# Altium PCB STM32H743VIT6_Test_B'd.PcbDoc (part 2 of 2) (continued)
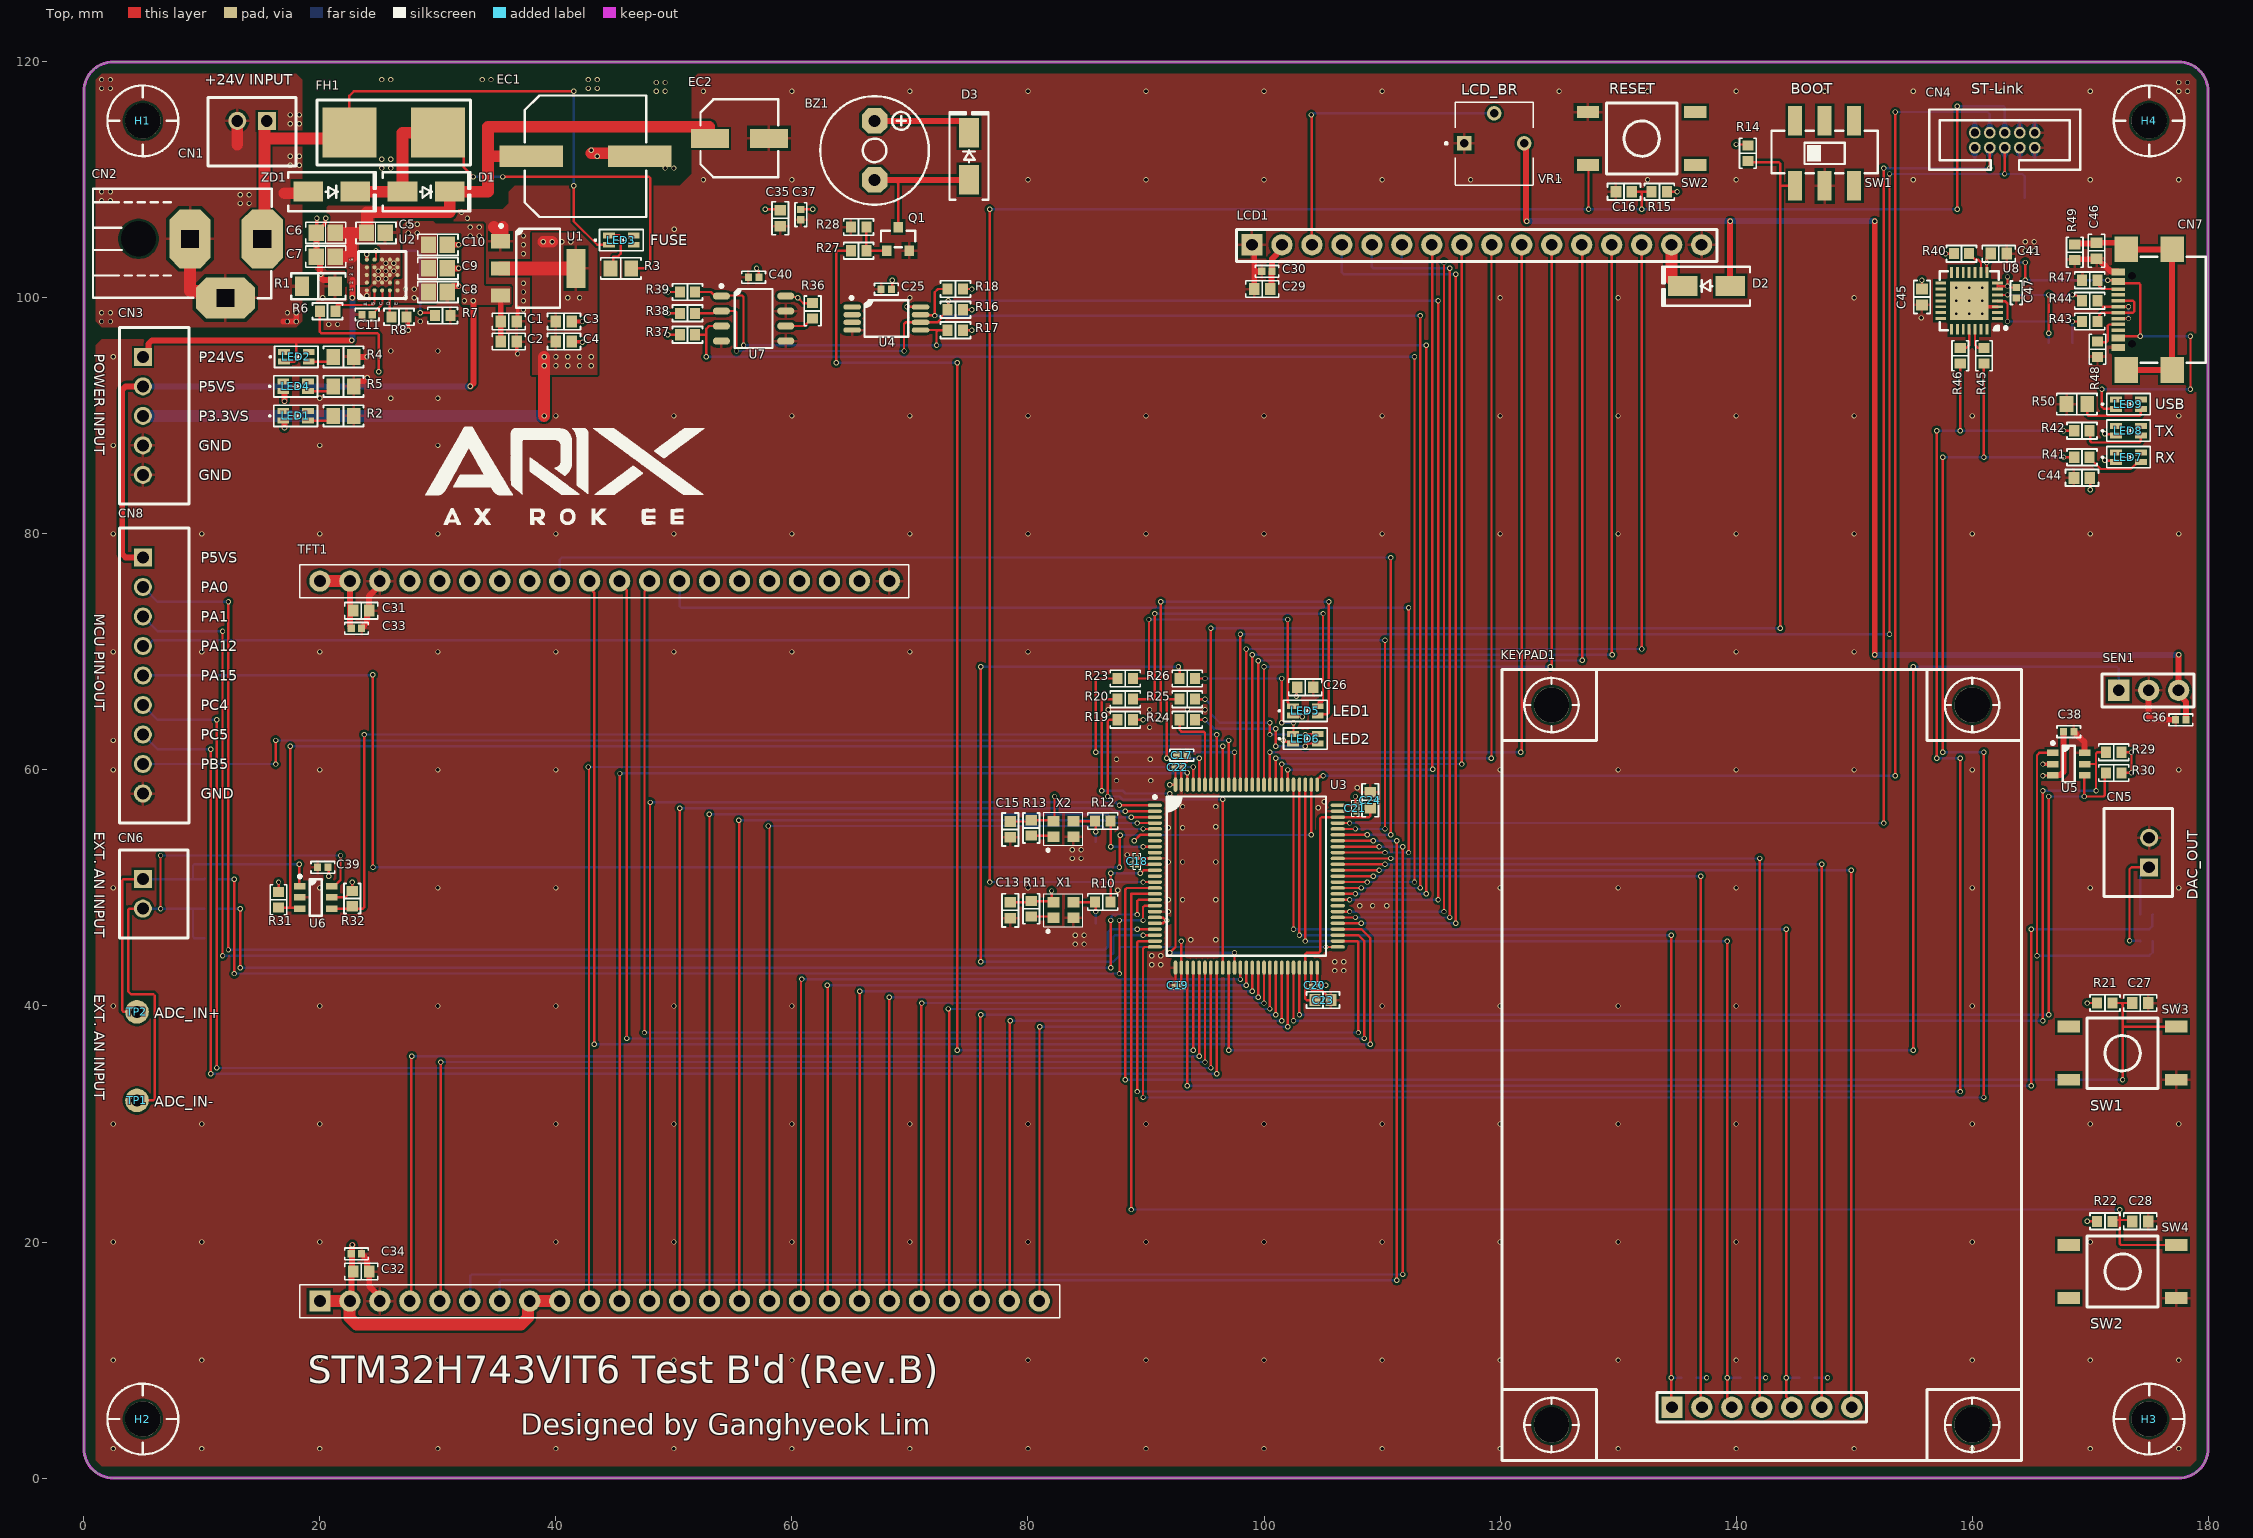
[diagram p0: Top view]
## Nets (pads, with @x,y where several pads share a name; then routed paths per layer and width w, separated by ;. In a path a pad name is that pad's centre, name@x,y a point inside that pad or via, vN(x,y) a via of type N, cw(c..) or ccw(c..) an arc to the next point about the centre after c; other vN are vias at no path point) (continued)
  Bottom w0.2: v1(103.5,45.5) v1(139.25,45.5) ; v1(139.25,8.5) R33.2@140.35,8.5
MCU_KEYPAD_COL2: KEYPAD1.1 R34.2 U3.79 | length 85.1
  Top w0.2: v1(103,46) U3.79@103,58.75 ; v1(134.5,46) v1(134.5,8.5) 134.5,6.06 KEYPAD1.1@134.56,6
  Bottom w0.2: v1(103,46) v1(134.5,46) ; v1(134.5,8.5) R34.2@135.35,8.5
MCU_KEYPAD_COL3: KEYPAD1.5 R35.2 U3.80 | length 95.8
  Top w0.2: v1(102.5,46.5) U3.80@102.5,58.75 ; v1(144.25,46.5) v1(144.25,8.5) 144.25,6.903 144.72,6.433 KEYPAD1.5@144.72,6
  Bottom w0.2: v1(102.5,46.5) v1(144.25,46.5) ; v1(144.25,8.5) R35.2@145.35,8.5
MCU_KEYPAD_ROW1: KEYPAD1.2 U3.63 | length 75.8
  Top w0.2: U3.63@106.25,51 v1(109.25,51) ; v1(137,51) 137,6.1 KEYPAD1.2@137.1,6
  Bottom w0.2: v1(109.25,51) v1(137,51)
MCU_KEYPAD_ROW2: KEYPAD1.7 U3.64 | length 89
  Top w0.2: U3.64@106.25,51.5 v1(109.75,51.5) ; v1(149.75,51.5) 149.75,6.05 KEYPAD1.7@149.8,6
  Bottom w0.2: v1(109.75,51.5) v1(149.75,51.5)
MCU_KEYPAD_ROW3: KEYPAD1.6 U3.65 | length 87
  Top w0.2: U3.65@106.25,52 v1(110.25,52) ; v1(147.25,52) 147.255,51.995 147.255,6.005 KEYPAD1.6@147.26,6
  Bottom w0.2: v1(110.25,52) v1(147.25,52)
MCU_KEYPAD_ROW4: KEYPAD1.4 U3.66 | length 82.3
  Top w0.2: U3.66@106.25,52.5 v1(110.75,52.5) ; v1(142,52.5) 142,6.18 KEYPAD1.4@142.18,6
  Bottom w0.2: v1(110.75,52.5) v1(142,52.5)
MCU_LED1_BLUE: R19.2 U3.34 | length 31.4
  Top w0.2: v1(86.75,57.75) 86.75,64.133 86.867,64.25 R19.2@87.6,64.25 ; U3.34@96.5,43.25 v1(96.5,57.5)
  Bottom w0.2: v1(86.75,57.75) 87.75,57.75 88,57.5 v1(96.5,57.5)
MCU_LED1_GREEN: R20.2 U3.36 | length 35.6
  Top w0.2: v1(86.25,58.25) 86.25,66 R20.2@87.6,66 ; v1(92,44.5) 92.5,45 92.5,57.5 v1(92,58) ; U3.36@97.5,43.25 v1(97.5,44.5)
  Bottom w0.2: v1(86.25,58.25) 88,58.25 88.25,58 v1(92,58) ; v1(92,44.5) v1(97.5,44.5)
MCU_LED1_RED: R23.2 U3.90 | length 22.5
  Top w0.2: v1(85.75,61.5) 85.75,67.633 85.867,67.75 R23.2@87.6,67.75 ; U3.90@97.5,58.75 v1(97.5,61.5)
  Bottom w0.2: v1(85.75,61.5) v1(97.5,61.5)
MCU_LED2_BLUE: R24.2 U3.95 | length 7.5
  Top w0.2: R24.2@92.85,64.25 92.85,63.4 93,63.25 94.883,63.25 95,63.133 U3.95@95,58.75
MCU_LED2_GREEN: R25.2 U3.96 | length 11
  Top w0.2: v1(91.75,61) 91.75,65.883 91.867,66 R25.2@92.85,66 ; U3.96@94.5,58.75 v1(94.5,61)
  Bottom w0.2: v1(91.75,61) v1(94.5,61)
MCU_LED2_RED: R26.2 U3.51 | length 73.9
  Top w0.2: v1(76,43.75) v1(76,68.75) ; v1(92.75,68.75) 92.75,68.682 92.85,68.582 R26.2@92.85,67.75 ; v1(105.25,45) U3.51@106.25,45
  Bottom w0.2: v1(76,43.75) 87.25,43.75 87.75,44.25 87.75,44.883 87.867,45 v1(105.25,45) ; v1(76,68.75) v1(92.75,68.75)
MCU_NRST: C16.2 CN4.6 R15.1 SW2.3 U3.14 | length 174.9
  Top w0.2: v1(76.75,50.5) v1(76.75,107.5) ; v1(89.75,50.5) U3.14@90.75,50.5 ; SW2.3@127.45,111.25 127.5,111.2 v1(127.5,107.5) ; C16.2@131.175,109 132.012,109 ; v1(132,107.5) 132.012,107.513 132.012,109 ; R15.1@132.85,109 132.012,109 ; v1(158.75,107.5) v1(158.75,116.25)
  Bottom w0.2: v1(76.75,50.5) v1(89.75,50.5) ; v1(76.75,107.5) v1(127.5,107.5) v1(132,107.5) v1(158.75,107.5) ; v1(158.75,116.25) 162.653,116.25 162.77,116.133 CN4.6@162.77,114
MCU_SWD_SWCLK: CN4.4 U3.76 | length 115.5
  Top w0.2: U3.76@104.5,58.75 104.5,59.173 104.779,59.452 104.952,59.452 v1(105,59.5) ; v1(153.5,59.5) v1(153.5,115.75)
  Bottom w0.2: v1(105,59.5) v1(153.5,59.5) ; v1(153.5,115.75) 161.333,115.75 161.5,115.583 CN4.4@161.5,114
MCU_SWD_SWDIO: CN4.3 U3.72 | length 112.5
  Top w0.2: U3.72@106.25,55.5 v1(107.25,55.5) ; v1(152.5,55.5) v1(152.5,111) ; v1(161.5,111) CN4.3@161.5,112.73
  Bottom w0.2: v1(107.25,55.5) v1(152.5,55.5) ; v1(152.5,111) v1(161.5,111)
MCU_SWD_TRACE_SWO: CN4.5 SB1.1 U3.89 | length 122.3
  Top w0.2: U3.89@98,58.75 v1(98,71.5) ; v1(153,71.5) v1(153,110.5) ; v1(162.75,110.5) 162.76,110.51 162.76,112.72 CN4.5@162.77,112.73
  Bottom w0.2: v1(98,71.5) v1(153,71.5) ; v1(153,110.5) v1(162.75,110.5) 164.25,110.5 164.45,110.3 SB1.1@164.45,108.5
MCU_TACT_SW1: C27.2 R21.1 SW3.3 U3.15 | length 116
  Top w0.2: v1(88.25,33.75) 88.25,49.883 88.367,50 U3.15@90.75,50 ; R21.1@171.9,40.25 172.633,40.25 ; v1(172.75,33.75) 172.75,38.25 ; C27.2@173.575,40.25 172.633,40.25 ; SW3.3@177.3,38.25 172.75,38.25 ; 172.633,40.25 172.75,40.133 172.75,38.25
  Bottom w0.2: v1(88.25,33.75) v1(172.75,33.75)
MCU_TACT_SW2: C28.2 R22.1 SW4.3 U3.16 | length 122
  Top w0.2: v1(88.75,22.75) 88.75,49.5 U3.16@90.75,49.5 ; R22.1@171.9,21.75 172.017,21.867 172.5,21.867 ; v1(172.5,22.75) 172.5,21.867 ; C28.2@173.575,21.75 173.458,21.867 172.5,21.867 ; SW4.3@177.3,19.75 172.617,19.75 172.5,19.867 172.5,21.867
  Bottom w0.2: v1(88.75,22.75) v1(172.5,22.75)
MCU_TEMP-SEN_OS: R37.1 U3.62 U7.3 | length 115.8
  Top w0.2: R37.1@51.8,96.87 52.63,96.87 52.75,96.75 ; v1(52.75,95) 52.75,96.75 ; U7.3@54.025,97.615 52.982,97.615 52.75,97.383 52.75,96.75 ; U3.62@106.25,50.5 v1(108.75,50.5) ; v1(112.75,50.5) v1(112.75,95)
  Bottom w0.2: v1(52.75,95) v1(112.75,95) ; v1(108.75,50.5) v1(112.75,50.5)
MCU_TFT_LCD_DATA0: TFT1.10 U3.97 | length 98
  Top w0.2: v1(42.75,60.25) 42.798,60.202 42.798,15.062 TFT1.10@42.86,15 ; U3.97@94,58.75 v1(94,60.25)
  Bottom w0.2: v1(42.75,60.25) v1(94,60.25)
MCU_TFT_LCD_DATA1: TFT1.11 U3.98 | length 93.8
  Top w0.2: TFT1.11@45.4,15 45.414,15.014 45.414,59.686 v1(45.427,59.7) ; U3.98@93.5,58.75 v1(93.5,59.75)
  Bottom w0.2: v1(45.427,59.7) 45.452,59.725 93.475,59.725 v1(93.5,59.75)
MCU_TFT_LCD_DATA2: TFT1.12 U3.1 | length 85.1
  Top w0.2: TFT1.12@47.94,15 47.97,15.03 47.97,57.22 v1(48,57.25) ; v1(87.75,57) U3.1@90.75,57
  Bottom w0.2: v1(48,57.25) 87.432,57.25 87.682,57 v1(87.75,57)
MCU_TFT_LCD_DATA3: TFT1.13 U3.2 | length 82.1
  Top w0.2: TFT1.13@50.48,15 50.49,15.01 50.49,56.74 v1(50.5,56.75) ; v1(88.25,56.5) U3.2@90.75,56.5
  Bottom w0.2: v1(50.5,56.75) 87,56.75 87.25,56.5 v1(88.25,56.5)
MCU_TFT_LCD_DATA4: TFT1.14 U3.3 | length 79.1
  Top w0.2: v1(53,56.25) 53.01,56.24 53.01,15.01 TFT1.14@53.02,15 ; v1(88.75,56) U3.3@90.75,56
  Bottom w0.2: v1(53,56.25) 86.75,56.25 87,56 v1(88.75,56)
MCU_TFT_LCD_DATA5: TFT1.15 U3.4 | length 76.1
  Top w0.2: v1(55.5,55.75) 55.53,55.72 55.53,15.03 TFT1.15@55.56,15 ; v1(89.25,55.5) U3.4@90.75,55.5
  Bottom w0.2: v1(55.5,55.75) 86.5,55.75 86.75,55.5 v1(89.25,55.5)
MCU_TFT_LCD_DATA6: TFT1.16 U3.5 | length 73.1
  Top w0.2: v1(58,55.25) 58,55.182 58.1,55.082 TFT1.16@58.1,15 ; v1(89.75,55) U3.5@90.75,55
  Bottom w0.2: v1(58,55.25) 86.25,55.25 86.5,55 v1(89.75,55)
MCU_TFT_LCD_DATA7: TFT1.17 U3.37 | length 65.6
  Top w0.2: TFT1.17@60.64,15 60.769,15.129 60.769,42.234 v1(60.817,42.282) ; v1(98,42.25) U3.37@98,43.25
  Bottom w0.2: v1(60.817,42.282) 60.833,42.266 97.984,42.266 v1(98,42.25)
MCU_TFT_LCD_DATA8: TFT1.18 U3.38 | length 63.8
  Top w0.2: v1(63,41.75) 63.048,41.702 63.048,15.132 TFT1.18@63.18,15 ; v1(98.5,41.75) U3.38@98.5,43.25
  Bottom w0.2: v1(63,41.75) v1(98.5,41.75)
MCU_TFT_LCD_DATA9: TFT1.19 U3.39 | length 61.5
  Top w0.2: TFT1.19@65.72,15 65.735,15.015 65.735,41.235 v1(65.75,41.25) ; v1(99,41.25) U3.39@99,43.25
  Bottom w0.2: v1(65.75,41.25) v1(99,41.25)
MCU_TFT_LCD_DATA10: TFT1.20 U3.40 | length 59.5
  Top w0.2: v1(68.25,40.75) 68.255,40.745 68.255,15.005 TFT1.20@68.26,15 ; v1(99.5,40.75) U3.40@99.5,43.25
  Bottom w0.2: v1(68.25,40.75) v1(99.5,40.75)
MCU_TFT_LCD_DATA11: TFT1.21 U3.41 | length 57.3
  Top w0.2: TFT1.21@70.8,15 70.952,15.152 70.952,40.202 v1(71,40.25) ; v1(100,40.25) U3.41@100,43.25
  Bottom w0.2: v1(71,40.25) v1(100,40.25)
MCU_TFT_LCD_DATA12: TFT1.22 U3.42 | length 55.5
  Top w0.2: v1(73.25,39.75) 73.25,39.682 73.34,39.592 TFT1.22@73.34,15 ; v1(100.5,39.75) U3.42@100.5,43.25
  Bottom w0.2: v1(73.25,39.75) v1(100.5,39.75)
MCU_TFT_LCD_DATA13: TFT1.23 U3.43 | length 53.3
  Top w0.2: TFT1.23@75.88,15 75.952,15.072 75.952,39.202 v1(76,39.25) ; v1(101,39.25) U3.43@101,43.25
  Bottom w0.2: v1(76,39.25) v1(101,39.25)
MCU_TFT_LCD_DATA14: TFT1.24 U3.44 | length 51.3
  Top w0.2: TFT1.24@78.42,15 78.46,15.04 78.46,38.71 v1(78.5,38.75) ; v1(101.5,38.75) U3.44@101.5,43.25
  Bottom w0.2: v1(78.5,38.75) v1(101.5,38.75)
MCU_TFT_LCD_DATA15: TFT1.25 U3.45 | length 49.3
  Top w0.2: TFT1.25@80.96,15 80.98,15.02 80.98,38.23 v1(81,38.25) ; v1(102,38.25) U3.45@102,43.25
  Bottom w0.2: v1(81,38.25) v1(102,38.25)
MCU_TFT_LCD_nCS: TFT1.5 U3.31 | length 93
  Top w0.2: TFT1.5@30.16,15 30.25,15.09 v1(30.25,35.25) ; v1(95,35.25) U3.31@95,43.25
  Bottom w0.2: v1(30.25,35.25) v1(95,35.25)
MCU_TFT_LCD_nRST: TFT1.4 U3.30 | length 95
  Top w0.2: TFT1.4@27.62,15 27.75,15.13 27.75,35.708 v1(27.785,35.744) ; v1(94.5,35.75) U3.30@94.5,43.25
  Bottom w0.2: v1(27.785,35.744) 27.788,35.747 94.497,35.747 v1(94.5,35.75)
MCU_TFT_LCD_nWR: TFT1.7 U3.69 | length 119.9
  Top w0.2: U3.69@106.25,54 v1(109.25,54) ; v1(111.25,16.75) v1(111.25,54)
  Bottom w0.2: TFT1.7@35.24,15 35.25,15.01 35.25,16.633 35.367,16.75 v1(111.25,16.75) ; v1(109.25,54) v1(111.25,54)
MCU_TFT_LCD_RS: TFT1.6 U3.68 | length 123
  Top w0.2: U3.68@106.25,53.5 v1(109.75,53.5) ; v1(111.75,17.25) v1(111.75,53.5)
  Bottom w0.2: TFT1.6@32.7,15 32.75,15.05 32.75,17.133 32.867,17.25 v1(111.75,17.25) ; v1(109.75,53.5) v1(111.75,53.5)
MCU_TFT_LCD_TS_nCS: TFT1.34 U3.70 | length 100.3
  Top w0.2: U3.70@106.25,54.5 v1(108.75,54.5) ; v1(110.75,54.5) v1(110.75,78)
  Bottom w0.2: TFT1.34@40.32,76 40.32,77.82 40.5,78 v1(110.75,78) ; v1(108.75,54.5) v1(110.75,54.5)
MCU_TFT_LCD_TS_nINT: TFT1.38 U3.67 | length 90.7
  Top w0.2: U3.67@106.25,53 v1(110.25,53) ; v1(112.25,53) v1(112.25,73.75)
  Bottom w0.2: TFT1.38@50.48,76 50.48,73.867 50.597,73.75 v1(112.25,73.75) ; v1(110.25,53) v1(112.25,53)
MCU_TFT_LCD_TS_SPI2_MISO: TFT1.36 U3.53 | length 112.2
  Top w0.2: TFT1.36@45.4,76 45.4,75.85 46,75.25 v1(46,37.25) ; U3.53@106.25,46 108,46 108.5,45.5 v1(108.5,37.25)
  Bottom w0.2: v1(46,37.25) v1(108.5,37.25)
MCU_TFT_LCD_TS_SPI2_MOSI: TFT1.35 U3.54 | length 117.2
  Top w0.2: TFT1.35@42.86,76 43.166,75.694 43.166,75.084 43.25,75 v1(43.25,36.75) ; U3.54@106.25,46.5 108.25,46.5 109,45.75 v1(109,36.75)
  Bottom w0.2: v1(43.25,36.75) v1(109,36.75)
MCU_TFT_LCD_TS_SPI2_SCK: TFT1.37 U3.52 | length 108.4
  Top w0.2: v1(47.5,37.75) 47.5,75.127 47.94,75.567 TFT1.37@47.94,76 ; U3.52@106.25,45.5 107.883,45.5 108,45.383 v1(108,37.75)
  Bottom w0.2: v1(47.5,37.75) v1(108,37.75)
MCU_UART2_RX: R41.1 R45.2 U3.25 | length 161.8
  Top w0.2: v1(89.75,32.25) 89.75,44.883 89.867,45 U3.25@90.75,45 ; v1(157.5,61.5) v1(157.5,86.5) ; v1(161,32.25) v1(161,61.5) ; v1(161,86.5) R45.2@161,94.45 ; v1(167.75,86.5) R41.1@168.655,86.5
  Bottom w0.2: v1(89.75,32.25) v1(161,32.25) ; v1(157.5,61.5) v1(161,61.5) ; v1(157.5,86.5) v1(161,86.5) v1(167.75,86.5)
MCU_UART2_TX: R42.1 R46.2 U3.24 | length 159.3
  Top w0.2: v1(89.25,32.75) 89.25,45.383 89.367,45.5 U3.24@90.75,45.5 ; v1(157,61) v1(157,88.75) ; v1(159,32.75) v1(159,61) ; v1(159,88.75) R46.2@159,94.45 ; v1(167.75,88.75) R42.1@168.655,88.75
  Bottom w0.2: v1(89.25,32.75) v1(159,32.75) ; v1(157,61) v1(159,61) ; v1(157,88.75) v1(159,88.75) v1(167.75,88.75)
NetBZ1_2: BZ1.2 D3.1 Q1.3 | length 12.1
  Top w0.2: 68.7,110 69,109.7 Q1.3@69,106
  Top w0.5: BZ1.2@67,110 68.7,110 D3.1@75,110
NetC12_2: C12.2 R10.2 X1.3 | length 3.7
  Top w0.2: X1.3@83.85,48.778 85.662,48.778 R10.2@85.687,48.803 85.75,48.74 v1(85.75,48)
  Bottom w0.2: C12.2@85.75,47.025 v1(85.75,48)
NetC14_2: C14.2 R12.2 X2.3 | length 3.6
  Top w0.2: X2.3@83.85,55.65 85.662,55.65 R12.2@85.687,55.675 85.75,55.612 v1(85.75,54.75)
  Bottom w0.2: C14.2@85.737,53.929 85.75,53.942 v1(85.75,54.75)
NetC46_1: C46.1 CN7.S1 CN7.S2 CN7.S3 CN7.S4 R49.1 | length 22.7
  Top w0.5: R49.1@168.695,104.52 168.772,104.597 170.467,104.597 C46.1@170.545,104.675 172.485,104.675 CN7.S4@173.05,104.11 CN7.S3@176.95,104.11 CN7.S2@176.95,93.89 CN7.S1@173.05,93.89
NetCN7_A5: CN7.A5 R48.2 | length 3.2
  Top w0.2: R48.2@170.625,96.3 170.675,96.25 171.383,96.25 171.5,96.367 171.5,97.633 171.617,97.75 CN7.A5@172.4,97.75
NetCN7_A6: CN7.A6 CN7.B6 R43.1 | length 5.9
  Top w0.2: R43.1@170.625,98 170.75,98.125 170.75,98.5 171,98.75 CN7.A6@172.4,98.75 173.633,98.75 173.75,98.867 173.75,99.633 173.633,99.75 CN7.B6@172.4,99.75
NetCN7_A7: CN7.A7 CN7.B7 R44.1 | length 4.7
  Top w0.2: R44.1@170.625,99.75 170.625,99.7 171.075,99.25 CN7.A7@172.4,99.25 v1(173.25,99.25) ; CN7.B7@172.4,98.25 v1(173.25,98.25)
  Bottom w0.2: v1(173.25,98.25) v1(173.25,99.25)
NetCN7_B5: CN7.B5 R47.2 | length 2.3
  Top w0.2: R47.2@170.625,101.5 170.75,101.375 170.75,101 171,100.75 CN7.B5@172.4,100.75
NetD1_1: D1.1 FH1.2 R3.2 ZD1.2 | length 41.1
  Top w0.2: FH1.2@30,114 30.18,114 32.2,111.98 32.2,111.05 v1(33,110.25) ; v1(35.5,110.25) 47.883,110.25 48,110.133 48,103 47.5,102.5 R3.2@46.375,102.5
  Top w1: ZD1.2@23,109 D1.1@27,109 27,114 FH1.2@30,114
  Bottom w0.2: v1(33,110.25) v1(35.5,110.25)
NetD2_2: D2.2 LCD1.15 | length 4.1
  Top w1: LCD1.15@134.54,104.5 134.54,101.56 135.1,101 D2.2@135.5,101
NetLCD1_3: LCD1.3 VR1.2 | length 26.6
  Top w0.2: v1(104,115.5) 104.03,115.47 104.03,104.53 LCD1.3@104.06,104.5
  Bottom w0.2: v1(104,115.5) 104.068,115.5 104.201,115.633 VR1.2@119.5,115.633
NetLED1_3: LED1.3 R2.2 | length 2.3
  Top w0.2: LED1.3@19,89.6 20.725,89.6 R2.2@21.125,90
NetLED2_3: LED2.3 R4.2 | length 2.2
  Top w0.2: LED2.3@19.05,94.6 20.725,94.6 R4.2@21.125,95
NetLED3_1: LED3.1 R3.1 | length 4.3
  Top w0.2: LED3.1@44.5,105.3 45.383,105.3 45.5,105.183 45.5,103.75 45.25,103.5 44.867,103.5 44.867,102.742 R3.1@44.625,102.5
NetLED4_3: LED4.3 R5.1 | length 2.3
  Top w0.2: LED4.3@19,92.1 20.725,92.1 R5.1@21.125,92.5
NetLED5_1: LED5.1 R23.1 | length 25.7
  Top w0.2: R23.1@88.9,67.75 90.133,67.75 90.25,67.867 v1(90.25,72.75) ; v1(102,72.75) 102,65.75 102.05,65.7 102.05,65.55 102.2,65.4 LED5.1@102.45,65.4
  Bottom w0.2: v1(90.25,72.75) v1(102,72.75)
NetLED5_2: LED5.2 R20.1 | length 31.5
  Top w0.2: R20.1@88.9,66 90.633,66 90.75,66.117 v1(90.75,73.25) ; LED5.2@104.55,65.4 104.617,65.467 104.617,65.75 104.883,65.75 105,65.867 v1(105,73.25)
  Bottom w0.2: v1(90.75,73.25) v1(105,73.25)
NetLED5_3: LED5.3 R19.1 | length 37
  Top w0.2: R19.1@88.9,64.25 v1(89.75,64.25) ; v1(91.25,64.25) v1(91.25,74.25) ; LED5.3@104.55,64.6 104.667,64.717 105.35,64.717 105.5,64.867 v1(105.5,74.25)
  Bottom w0.2: v1(89.75,64.25) v1(91.25,64.25) ; v1(91.25,74.25) v1(105.5,74.25)
NetLED6_1: LED6.1 R26.1 | length 13.1
  Top w0.2: R26.1@94.15,67.75 v1(95,67.75) ; v1(101.5,64) v1(101.5,67.75) ; LED6.1@102.45,63.05 102.5,63.1 v1(102.5,63.998)
  Bottom w0.2: v1(95,67.75) v1(101.5,67.75) ; v1(101.5,64) 101.501,63.999 v1(102.5,63.998) v1(102.5,63.998)
NetLED6_2: LED6.2 R25.1 | length 12.7
  Top w0.2: R25.1@94.15,66 v1(95,66) ; v1(100.5,63) v1(100.5,64) ; v1(103.5,63) 103.525,63.025 104.525,63.025 LED6.2@104.55,63.05
  Bottom w0.2: v1(95,66) 95.5,65.5 95.5,64.75 96.25,64 v1(100.5,64) ; v1(100.5,63) v1(103.5,63)
NetLED6_3: LED6.3 R24.1 | length 12.3
  Top w0.2: R24.1@94.15,64.25 v1(95,64.25) ; v1(101,62) v1(101,63.5) ; v1(103.5,62) 103.75,62.25 LED6.3@104.55,62.25
  Bottom w0.2: v1(95,64.25) 95.75,63.5 v1(101,63.5) ; v1(101,62) v1(103.5,62)
NetLED7_3: LED7.3 R41.2 | length 5
  Top w0.2: R41.2@169.955,86.5 169.955,86.45 170.905,85.5 173.45,85.5 174.05,86.1 LED7.3@174.3,86.1
NetLED8_3: LED8.3 R42.2 | length 5.8
  Top w0.2: R42.2@169.955,88.75 170,88.705 170,87.867 170.117,87.75 174.183,87.75 174.3,87.867 LED8.3@174.3,88.35
NetLED9_3: LED9.3 R50.2 | length 6
  Top w0.2: R50.2@169.75,91 169.75,90.117 169.867,90 174.183,90 174.3,90.117 LED9.3@174.3,90.6
NetQ1_1: Q1.1 R27.1 R28.2 | length 3.7
  Top w0.2: R28.2@66.3,106 R27.1@66.3,104 Q1.1@68.05,104
NetR11_1: R11.1 X1.1 | length 1.9
  Top w0.2: R11.1@80.28,47.583 82.045,47.583 X1.1@82.15,47.478
NetR13_1: R13.1 X2.1 | length 1.9
  Top w0.2: R13.1@80.28,54.439 82.061,54.439 X2.1@82.15,54.35
NetR36_1: R36.1 U7.6 | length 2.5
  Top w0.2: U7.6@59.475,97.615 61.065,97.615 61.7,98.25 R36.1@61.75,98.25
NetR40_2: R40.2 U8.9 | length 2.2
  Top w0.2: R40.2@159.75,103.75 159.75,103.7 160.075,103.375 160.125,103.375 160.25,103.25 160.5,103.25 160.75,103 U8.9@160.75,102.15
NetSB6_1: SB6.1 U5.1 | length 29.3
  Top w0.2: v1(165.5,44.25) 165.5,61.25 165.7,61.45 U5.1@166.84,61.45
  Bottom w0.2: v1(165.5,44.25) 175,44.25 175.3,44.55 SB6.1@175.3,45.5
P24VS: C5.2 C6.2 C7.2 CN3.1 D1.2 EC1.1 EC2.1 LED2.4 U2.A2 U2.A3 U2.A4 | length 75.5
  Top w0.2: LED2.4@16.95,94.6 17.85,94.6 18,94.75 18,96.4 18,96.5
  Top w0.5: CN3.1@5,95 5.478,95.478 5.478,96.107 5.77,96.4 18,96.4 v1(22.7,96.4) ; v1(22.75,100) 22.75,101.5
  Top w1: C7.2@21.3,103.5 22.625,103.5 ; C6.2@21.3,105.5 22.625,105.5 ; 22.75,103.5 22.625,103.5 ; EC1.1@37.9,112 34.25,112 ; EC2.1@53.046,113.52 53,113.52 53,114.5 34.25,114.5 34.25,112 ; 22.625,103.5 22.625,105.5 ; 22.625,105.5 C5.2@23.95,105.5 24,105.5 24,107.25 31,107.25 D1.2@31,109 34.25,109 34.25,112
  Bottom w0.5: v1(22.7,96.4) 22.75,96.45 v1(22.75,100)
USB_D+: C42.2 R43.2 U8.4 | length 10.6
  Top w0.2: U8.4@162.15,99.75 162.175,99.725 162.792,99.725 163,99.517 v1(163,98) ; v1(168.5,98) R43.2@169.325,98
  Bottom w0.2: v1(163,98) v1(168.5,98) C42.2@168.5,96.175
USB_D-: C43.2 R44.2 U8.5 | length 11.5
  Top w0.2: U8.5@162.15,100.25 v1(163,100.25) ; v1(166.5,97) v1(166.5,100.25) ; v1(168.5,100.25) 168.548,100.202 168.873,100.202 168.95,100.125 169,100.125 169.325,99.8 R44.2@169.325,99.75
  Bottom w0.2: v1(163,100.25) v1(166.5,100.25) v1(168.5,100.25) ; C43.2@166.5,96.175 v1(166.5,97)
VBUS: C41.2 CN7.A4 CN7.B4 LED9.4 U8.8 | length 41.7
  Top w0.2: U8.8@161.25,102.15 v1(161.25,103) 161.25,103.425 C41.2@161.575,103.75 ; v1(164.5,101.5) v1(164.5,103) ; v1(171,92.25) 171,90.75 171.15,90.6 LED9.4@172.2,90.6 ; v1(171.5,101.5) 172.3,101.5 172.55,101.25 174.133,101.25 174.25,101.133 v1(174.25,96.75) 172.55,96.75 CN7.A4@172.4,96.6 ; v1(178.5,92.25) v1(178.5,96.75)
  Bottom w0.2: v1(161.25,103) v1(164.5,103) ; v1(164.5,101.5) v1(171.5,101.5) ; v1(171,92.25) v1(178.5,92.25) ; v1(174.25,96.75) v1(178.5,96.75)
VCAP: C23.1 C24.1 U3.48 U3.73 | length 22.2
  Top w0.2: C23.1@104.325,40.5 103.617,40.5 103.5,40.617 U3.48@103.5,43.25 103.5,44.383 103.617,44.5 104.633,44.5 104.75,44.617 104.75,55.883 104.867,56 U3.73@106.25,56 108.883,56 109,56.117 C24.1@109,56.75
pads on no net: CN2.0 CN7.0 CN7.A8 CN7.B8 H1.1 H2.1 H3.1 H4.1 KEYPAD1.H1 KEYPAD1.H2 KEYPAD1.H3 KEYPAD1.H4 LED1.1 LED1.2 LED2.1 LED2.2 LED3.2 LED3.3 LED4.1 LED4.2 LED7.1 LED7.2 LED8.1 LED8.2 LED9.1 LED9.2 SB1.2 SW1.3 SW1.4 SW1.5 SW1.6 SW2.2 SW2.4 SW3.2 SW3.4 SW4.2 SW4.4 TFT1.29 TFT1.30 TFT1.31 TFT1.32 TFT1.33 TFT1.39 TFT1.40 TFT1.41 TFT1.42 TFT1.43 TFT1.44 U3.7 U3.9 U3.13 U3.58 U4.1 U4.2 U4.3 U8.1 U8.2 U8.10 U8.11 U8.12 U8.13 U8.14 U8.15 U8.16 U8.17 U8.18 U8.19 U8.20 U8.21 U8.22 U8.23 U8.24 U8.27 U8.28

## Polygon pours and split planes (outlines as drawn)
DGND on Top "DGND_Top_Layer1" (solid, remove dead copper, pour order 15): 20,107.5 19.5,107 19.5,102.5 20,102 20,100 19.5,99.5 19.5,97.5 18.5,96.5 1.5,96.5 1,96 1,1.5 1.5,1 178.5,1 179,1.5 179,118.5 178.5,119 52,119 51.5,118.5 51.5,110.5 50.5,109.5 36.5,109.5 36,109 36,108 35.5,107.5
P24VS on Top "P24VS_Top_Layer" (solid, remove dead copper, pour order 0): 22.5,101.1 22.3,101.3 22.3,102.4 22.2,102.5 20.7,102.5 20.6,102.6 20.6,107.7 20.7,107.8 24.6,107.8 24.6,104.6 23.4,104.6 23.3,104.5 23.3,103.1 23.6,102.8 24.1,102.8 24.2,102.7 24.2,101.3 24,101.1
DGND on Top "DGND_Top_Layer" (solid, remove dead copper, pour order 19): 25.1,103.425 25.15,103.475 26.775,103.475 26.8,103.45 26.8,101.9 26.625,101.725 26.2,101.725 26.125,101.65 26.125,101.1 24.55,101.1 24.45,101.2 24.45,102.725 24.5,102.775 25.05,102.775 25.1,102.825
DP5VS on Top "DP5VS_1_Top_Layer" (solid, remove dead copper, pour order 1): 26.4,99.6 26.3,99.7 26.3,101.5 26.4,101.6 26.9,101.6 27,101.7 27,106.2 27.3,106.5 29.6,106.5 29.9,106.2 29.9,99.7 29.8,99.6
GNDPWR on Top "GNDPWR_Top_Layer" (solid, remove dead copper, pour order 7): 1.5,97.5 1,98 1,118.5 1.5,119 18,119 18.5,118.5 18.5,98 18,97.5
DP3.3VS on Top "DP3.3VS_Top_Layer" (solid, remove dead copper, pour order 4): 38,105.5 38,93.5 43.5,93.5 43.5,105.5
DP5VS on Top "DP5VS_2_Top_Layer" (solid, remove dead copper, pour order 3): 29.5,106.3 33.8,106.3 33.9,106.2 33.9,101.1 34,101 36.1,101 36.2,100.9 36.2,99.5 36.1,99.4 32.1,99.4 32,99.5 32,105.4 31.9,105.5 29.5,105.5
DGND on Inner Layer 2 "DGND_Inner_Layer2" (solid, remove dead copper, pour order 8): 20,107.5 19.5,107 19.5,102.5 20,102 20,100 19.5,99.5 19.5,97.5 18.5,96.5 1.5,96.5 1,96 1,1.5 1.5,1 178.5,1 179,1.5 179,118.5 178.5,119 52,119 51.5,118.5 51.5,110.5 50.5,109.5 36.5,109.5 36,109 36,108 35.5,107.5
GNDPWR on Inner Layer 2 "GNDPWR_Inner_Layer2" (solid, remove dead copper, pour order 6): 18,97.5 18.5,98 18.5,110.5 18.5,110 19,110.5 50,110.5 50.5,111 50.5,118.5 50,119 1.5,119 1,118.5 1,98 1.5,97.5
DGND on Bottom "DGND_Bottom_Layer" (solid, remove dead copper, pour order 10): 20,107.5 19.5,107 19.5,102.5 20,102 20,100 19.5,99.5 19.5,97.5 18.5,96.5 1.5,96.5 1,96 1,1.5 1.5,1 178.5,1 179,1.5 179,118.5 178.5,119 52,119 51.5,118.5 51.5,110.5 50.5,109.5 36.5,109.5 36,109 36,108 35.5,107.5
GNDPWR on Bottom "GNDPWR_Bottom_Layer" (solid, remove dead copper, pour order 11): 18,97.5 18.5,98 18.5,110.5 18.5,110 19,110.5 50,110.5 50.5,111 50.5,118.5 50,119 1.5,119 1,118.5 1,98 1.5,97.5
DP3.3VS on Inner Layer 1 "DP3.3VS_Inner_Layer1" (solid, remove dead copper, pour order 14): 39,105.5 38,104.5 38,95 37,94 2,94 1,93 1,2 2,1 177.5,1 179,2.5 179,117 177.5,118.5 126,118.5 125,117.5 125,108 126,107 141.5,107 142.5,106 142.5,99 141.5,98 95.5,98 94,99.5 94,104 92.5,105.5
DP5VS on Inner Layer 1 "DP5VS_Inner_Layer1" (solid, remove dead copper, pour order 12): 26.5,101.6 26.3,101.4 26.3,95.7 27,95 36.5,95 37,95.5 37,106 37.5,106.5 95,106.5 95.5,106 95.5,100 96,99.5 141,99.5 141.5,100 141.5,105.5 141,106 124.5,106 124,106.5 124,118 123.5,118.5 34,118.5 33.5,118 33.5,107 33,106.5 27.5,106.5 27,106 27,101.6

## Keep-outs
Keep-Out Layer:
  the board outline again, w0.254

## Silkscreen, mask and mechanical layers (free items; w line width, h text height)
Top Overlay:
  drawing of 14 lines, arcs and shapes, not listed
  text "+24V INPUT" at 10.25,117.75 h1.52
  text "RESET" at 129.25,117 h1.52
  text "BOOT" at 144.64,117 h1.52
  text "ST-Link" at 159.91,117 h1.52
  text "LCD_BR" at 116.715,116.92 h1.52
  text "FUSE" at 47.989,104.15 h1.52
  text "POWER INPUT" at 0.6,95.25 h1.52 r270
  text "P24VS" at 9.75,94.25 h1.52
  text "P5VS" at 9.75,91.75 h1.52
  text "USB" at 175.5,90.25 h1.52
  text "P3.3VS" at 9.75,89.25 h1.52
  text "TX" at 175.5,88 h1.52
  text "GND" at 9.75,86.75 h1.52
  text "RX" at 175.5,85.75 h1.52
  text "GND" at 9.75,84.25 h1.52
  text "P5VS" at 9.903,77.25 h1.52
  text "PA0" at 9.903,74.75 h1.52
  text "MCU PIN-OUT" at 0.6,73.25 h1.52 r270
  text "PA1" at 9.903,72.25 h1.52
  text "PA12" at 9.903,69.75 h1.52
  text "PA15" at 9.903,67.25 h1.52
  text "PC4" at 9.903,64.75 h1.52
  text "LED1" at 105.804,64.25 h1.52
  text "PC5" at 9.903,62.25 h1.52
  text "LED2" at 105.804,61.9 h1.52
  text "PB5" at 9.903,59.75 h1.52
  text "GND" at 9.903,57.25 h1.52
  text "EXT. AN INPUT" at 0.6,54.75 h1.52 r270
  text "DAC_OUT" at 179.4,49 h1.52 r90
  text "EXT. AN INPUT" at 0.6,41 h1.52 r270
  text "ADC_IN+" at 5.963,38.67 h1.52
  text "ADC_IN-" at 5.963,31.17 h1.52
  text "SW1" at 170,30.837 h1.52
  text "SW2" at 170,12.337 h1.52
  text "STM32H743VIT6 Test B'd (Rev.B)" at 18.992,7.252 h4
  text "Designed by Ganghyeok Lim" at 37,3.067 h3
Bottom Overlay:
  text "VIN+ → MCU ADC3 IN+" at 28.25,50 h1.52
  text "VIN+ → MCU ADC3 IN-" at 28.25,47.5 h1.52
  text "MCU DAC1" at 173.112,47 h1.52
  text "VIN- → GND" at 21.25,45 h1.52
  text "MCP4725" at 173.112,44.75 h1.52

## Text inside footprints (layer, text, board x,y; h text height)
U2: Top Overlay "E" at 26.726,99.38 h0.5 r90; Top Overlay "D" at 26.076,99.381 h0.5 r90; Top Overlay "C" at 25.445,99.36 h0.5 r90; Top Overlay "B" at 24.776,99.37 h0.5 r90; Top Overlay "A" at 24.126,99.34 h0.5 r90; Top Overlay "1" at 22.951,100.565 h0.5 r90; Top Overlay "2" at 22.951,101.165 h0.5 r90; Top Overlay "4" at 22.951,102.44 h0.5 r90; Top Overlay "5" at 22.945,103.115 h0.5 r90; Top Overlay "3" at 22.945,101.815 h0.5 r90